# Altium PCB PCB1.PcbDoc (part 4 of 5) (continued)
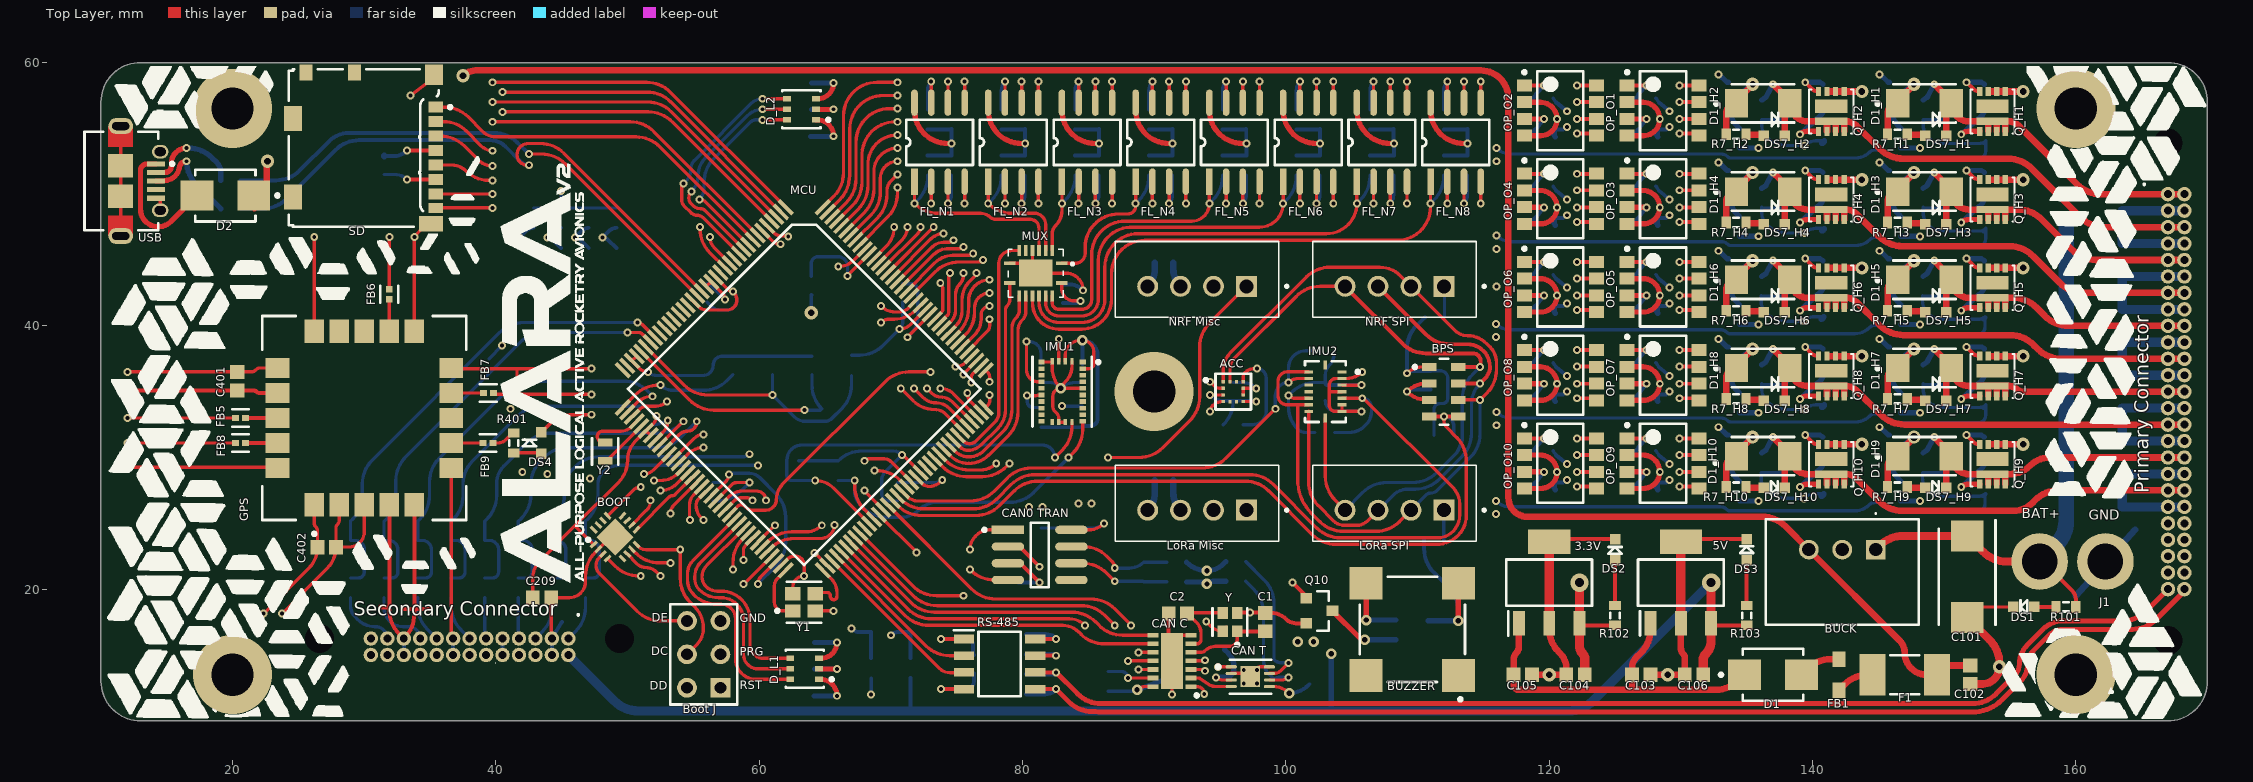
[diagram p0: Top Layer view]
## Nets (pads, with @x,y where several pads share a name; then routed paths per layer and width w, separated by ;. In a path a pad name is that pad's centre, name@x,y a point inside that pad or via, vN(x,y) a via of type N, cw(c..) or ccw(c..) an arc to the next point about the centre after c; other vN are vias at no path point) (continued)
  Bottom Layer w0.254: v1(94.19,49.3) 94.446,49.556 ccw(c92.65,51.352) 95.19,51.352 R1_N5.2@95.19,51.45
"MUX B6": FL_N6.1 MUX.14 R1_N6.2 | length 29.4
  Top Layer w0.254: MUX.14@81.75,42.275 81.75,41.75 ccw(c82.75,41.75) 82.75,40.75 84.5,40.75 ccw(c84.5,42) 85.75,42 85.75,44.96 cw(c88.29,44.96) 88.141,47.496 cw(c88.155,47.242) 88.154,47.496 97.986,47.496 ccw(c97.986,49.3) v1(99.79,49.3) FL_N6.1@99.79,50.95
  Bottom Layer w0.254: v1(99.79,49.3) 100.046,49.556 ccw(c98.25,51.352) 100.79,51.352 R1_N6.2@100.79,51.45
"MUX B7": FL_N7.1 MUX.13 R1_N7.2 | length 35.8
  Top Layer w0.254: MUX.13@81.25,42.275 81.25,41.75 ccw(c82.75,41.75) 82.75,40.25 84.5,40.25 ccw(c84.5,42) 86.25,42 86.25,44.46 cw(c88.79,44.46) 88.79,47 103.09,47 ccw(c103.09,49.3) v1(105.39,49.3) FL_N7.1@105.39,50.95
  Bottom Layer w0.254: v1(105.39,49.3) 105.646,49.556 ccw(c103.85,51.352) 106.39,51.352 R1_N7.2@106.39,51.45
"MUX B8": FL_N8.1 MUX.12 R1_N8.2 | length 42.4
  Top Layer w0.254: MUX.12@80.75,42.275 80.75,41.75 ccw(c82.75,41.75) 82.75,39.75 84.5,39.75 ccw(c84.5,42) 86.75,42 86.75,43.96 cw(c89.29,43.96) 89.29,46.5 108.45,46.5 ccw(c108.45,49.04) 110.99,49.04 v1(110.99,49.3) FL_N8.1@110.99,50.95
  Bottom Layer w0.254: v1(110.99,49.3) 111.246,49.556 ccw(c109.45,51.352) 111.99,51.352 R1_N8.2@111.99,51.45
"MUX OE": MCU.102 MUX.7 | length 17.9
  Top Layer w0.254: MCU.102@75.081,31.676 75.522,31.236 75.524,31.235 ccw(c76,31.756) 75.633,31.153 cw(c75.501,30.936) 75.657,31.136 ccw(c75.859,31.393) 75.836,31.067 cw(c75.817,30.814) 75.865,31.063 ccw(c76,31.756) 76,31.05 ccw(c76,31.654) 76.427,31.227 77.917,32.717 ccw(c77.234,33.4) 78.2,33.4 78.2,44.796 cw(c79.054,44.796) 78.45,45.4 cw(c79.235,44.615) 79.235,45.725 MUX.7@79.75,45.725
"MUX S0": MCU.99 MUX.11 | length 17
  Top Layer w0.254: MCU.99@74.021,30.615 74.511,30.126 ccw(c75.9,31.515) 75.9,29.55 ccw(c75.9,31.723) 77.436,30.186 78.906,31.656 ccw(c77.11,33.452) 79.65,33.452 79.65,33.542 cw(c79.904,33.541) 79.65,33.553 ccw(c76.66,33.702) 79.654,33.702 79.654,39.685 cw(c80.665,39.685) 79.95,40.4 ccw(c79.226,41.124) 80.25,41.124 MUX.11@80.25,42.275
"MUX S1": MCU.100 MUX.10 | length 15.8
  Top Layer w0.254: MCU.100@74.374,30.969 74.864,30.479 ccw(c75.9,31.515) 75.9,30.05 ccw(c75.9,31.74) 77.095,30.545 78.456,31.906 ccw(c76.66,33.702) 79.2,33.702 79.2,39.876 cw(c80.224,39.876) 79.5,40.6 ccw(c78.896,41.204) 79.75,41.204 MUX.10@79.75,42.275
"MUX S2": MCU.101 MUX.9 | length 15.6
  Top Layer w0.254: MCU.101@74.728,31.322 75.253,30.797 ccw(c75.85,31.394) 75.85,30.55 ccw(c75.85,31.999) 76.874,30.974 78.134,32.234 ccw(c76.769,33.6) 78.7,33.6 78.7,41.188 cw(c79.212,41.188) 78.85,41.55 ccw(c78.428,41.972) 79.025,41.972 MUX.9@79.025,43.25
Net3.3V_1: 3.3V.1 5V.1 C103.2 C105.2 D1.1 | length 28.4
  Top Layer w0.5: 3.3V.1@117.7,17.4 117.7,15.633 cw(c117.017,15.633) 117.5,15.15 ccw(c117.983,14.667) 117.3,14.667 C105.2@117.3,13.5 117.3,12.75 ccw(c117.7,12.75) 117.7,12.35 126.3,12.35 ; 5V.1@127.7,17.4 127.7,16.952 cw(c125.16,16.952) 126.956,15.156 126.6,14.8 ccw(c127.324,14.076) 126.3,14.076 C103.2@126.3,13.5 126.3,12.35 ; D1.1@134.85,13.5 134.444,13.094 cw(c132.648,14.89) 132.648,12.35 126.3,12.35
NetBUCK_3: BUCK.3 C102.2 D2.1 F1.1 | length 175.5
  Top Layer w0.35: D2.1@21.6,49.9 D2.1@21.65,48.925
  Top Layer w0.5: D2.1@21.65,48.925 21.65,49.9 21.7,49.9 22.6,50.8 22.6,52.45 v2(22.65,52.5) ; v2(37.5,59) cw(c38.466,58.034) 38.466,59.4 114.8,59.4 cw(c114.8,57.3) 116.9,57.3 116.9,26.95 ccw(c118.35,26.95) 118.35,25.5 136.168,25.5 cw(c136.168,22.96) 137.964,24.756 BUCK.3@139.72,23 146.614,16.106 cw(c145.684,15.175) 147,15.175 ccw(c148.675,15.175) 148.675,13.5 F1.1@149.451,13.5 cw(c150.151,13.5) 150.151,14.2 C102.2@152,14.2
  Bottom Middle Layer w0.5: v2(22.65,52.5) cw(c24.219,52.5) 23.11,53.61 27.756,58.256 cw(c29.552,56.46) 29.552,59 v2(37.5,59)
NetBUZZER_3: BUZZER.3 R601.2 | length 5.1
  Top Layer w0.4: v3(106.1,17.65) BUZZER.3@106.1,20.45
  Bottom Layer w0.4: v3(106.1,17.65) R601.2@108.35,17.65
NetC1_2: "CAN C.5" C1.2 Y.1 | length 6.7
  Top Layer w0.254: 92.8,15.2 93.538,15.2 ccw(c93.538,15.712) 93.9,15.35 cw(c94.624,14.626) 94.624,15.65 95.75,15.65 ccw(c95.75,16.2) 96.3,16.2 Y.1@96.3,16.8
  Top Layer w0.3: Y.1@96.3,16.8 C1.2@98.45,16.8
NetC2_2: "CAN C.6" C2.2 Y.3 | length 6
  Top Layer w0.254: 92.8,15.85 93.25,15.85 ccw(c93.25,16.15) 93.55,16.15 93.55,16.655 ccw(c92.355,16.655) 93.2,17.5 92.585,18.115 ccw(c92.5,18.029) C2.2@92.5,18.15 cw(c92.621,18.029) 92.621,18.2 Y.3@95.2,18.2
NetC406_2: C406.2 IMU1.9 | length 6.2
  Top Layer w0.254: v1(80.3,38.8) 80.3,36.65 ccw(c81.2,36.65) 81.2,35.75 IMU1.9@81.438,35.75
  Bottom Layer w0.254: v1(80.3,38.8) 80.5,38.8 cw(c80.5,37.9) 81.4,37.9 C406.2@81.4,37.1
NetC_N1_2: C_N1.2
NetC_N2_2: C_N2.2
NetC_N3_2: C_N3.2
NetC_N4_2: C_N4.2
NetC_N5_2: C_N5.2
NetC_N6_2: C_N6.2
NetC_N7_2: C_N7.2
NetC_N8_2: C_N8.2
"NetCAN0 TRAN_8": "CAN0 TRAN.8" R307.1 | length 7.5
  Top Layer w0.254: 83.714,24.505 85.005,24.505 ccw(c85.005,26.195) v1(86.2,25)
  Bottom Layer w0.254: R307.1@81.4,24.65 85.355,24.65 ccw(c85.355,25.845) v1(86.2,25)
NetD1_2: D1.2 FB1.2 | length 3.2
  Top Layer w0.5: D1.2@139.15,13.5 139.581,13.931 cw(c141.377,12.135) 141.377,14.675 FB1.2@142,14.675
NetD_L1_1: D_L1.1 R3_L1.1 | length 3.8
  Top Layer w0.381: D_L1.1@64.55,13.15 64.65,13.15 cw(c64.65,11.9) v1(65.9,11.9)
  Bottom Layer w0.381: R3_L1.1@64.15,11.9 v1(65.9,11.9)
NetD_L1_2: D_L1.2 R2_L1.1 | length 3.1
  Top Layer w0.381: D_L1.2@64.55,13.95 v1(65.9,13.95)
  Bottom Layer w0.381: R2_L1.1@64.2,13.95 v1(65.9,13.95)
NetD_L1_3: D_L1.3 R1_L1.2 | length 3.7
  Top Layer w0.381: D_L1.3@64.55,14.75 64.7,14.75 ccw(c64.7,15.95) v1(65.9,15.95)
  Bottom Layer w0.381: R1_L1.2@64.2,15.95 v1(65.9,15.95)
NetD_L2_1: D_L2.1 R3_L2.1 | length 3.8
  Top Layer w0.381: D_L2.1@64.3,55.65 64.4,55.65 cw(c64.4,54.4) v1(65.65,54.4)
  Bottom Layer w0.381: R3_L2.1@63.9,54.4 v1(65.65,54.4)
NetD_L2_2: D_L2.2 R2_L2.1 | length 3.1
  Top Layer w0.381: D_L2.2@64.3,56.45 v1(65.65,56.45)
  Bottom Layer w0.381: R2_L2.1@63.95,56.45 v1(65.65,56.45)
NetD_L2_3: D_L2.3 R1_L2.2 | length 3.7
  Top Layer w0.381: D_L2.3@64.3,57.25 64.45,57.25 ccw(c64.45,58.45) v1(65.65,58.45)
  Bottom Layer w0.381: R1_L2.2@63.95,58.45 v1(65.65,58.45)
NetDS1_2: DS1.2 R101.1 | length 1.6
  Top Layer w0.3: DS1.2@156.85,18.65 R101.1@158.5,18.65
NetDS2_2: DS2.2 R102.1 | length 3.4
  Top Layer w0.3: R102.1@125,18.75 DS2.2@125,22.2
NetDS3_2: DS3.2 R103.1 | length 3.4
  Top Layer w0.3: R103.1@135,18.75 DS3.2@135,22.2
NetDS4_2: DS4.2 R401.2 | length 2.1
  Top Layer w0.254: R401.2@41.35,30.35 43.329,30.35 cw(c43.329,30.179) DS4.2@43.45,30.3
NetDS7_H1_2: DS7_H1.2 R7_H1.1 | length 1.4
  Top Layer w0.3: R7_H1.1@147.2,54.55 ccw(c147.25,54.55) R7_H1.1@147.25,54.5
  Top Layer w0.5: R7_H1.1@147.25,54.5 DS7_H1.2@148.55,54.5
NetDS7_H2_2: DS7_H2.2 R7_H2.1 | length 1.4
  Top Layer w0.3: R7_H2.1@134.95,54.55 ccw(c135,54.55) R7_H2.1@135,54.5
  Top Layer w0.5: R7_H2.1@135,54.5 DS7_H2.2@136.3,54.5
NetDS7_H3_2: DS7_H3.2 R7_H3.1 | length 1.4
  Top Layer w0.3: R7_H3.1@147.2,47.85 ccw(c147.25,47.85) R7_H3.1@147.25,47.8
  Top Layer w0.5: R7_H3.1@147.25,47.8 DS7_H3.2@148.55,47.8
NetDS7_H4_2: DS7_H4.2 R7_H4.1 | length 1.4
  Top Layer w0.3: R7_H4.1@134.95,47.85 ccw(c135,47.85) R7_H4.1@135,47.8
  Top Layer w0.5: R7_H4.1@135,47.8 DS7_H4.2@136.3,47.8
NetDS7_H5_2: DS7_H5.2 R7_H5.1 | length 1.4
  Top Layer w0.3: R7_H5.1@147.2,41.15 ccw(c147.25,41.15) R7_H5.1@147.25,41.1
  Top Layer w0.5: R7_H5.1@147.25,41.1 DS7_H5.2@148.55,41.1
NetDS7_H6_2: DS7_H6.2 R7_H6.1 | length 1.4
  Top Layer w0.3: R7_H6.1@134.95,41.15 ccw(c135,41.15) R7_H6.1@135,41.1
  Top Layer w0.5: R7_H6.1@135,41.1 DS7_H6.2@136.3,41.1
NetDS7_H7_2: DS7_H7.2 R7_H7.1 | length 1.4
  Top Layer w0.3: R7_H7.1@147.2,34.45 ccw(c147.25,34.45) R7_H7.1@147.25,34.4
  Top Layer w0.5: R7_H7.1@147.25,34.4 DS7_H7.2@148.55,34.4
NetDS7_H8_2: DS7_H8.2 R7_H8.1 | length 1.4
  Top Layer w0.3: R7_H8.1@134.95,34.45 ccw(c135,34.45) R7_H8.1@135,34.4
  Top Layer w0.5: R7_H8.1@135,34.4 DS7_H8.2@136.3,34.4
NetDS7_H9_2: DS7_H9.2 R7_H9.1 | length 1.4
  Top Layer w0.3: R7_H9.1@147.2,27.75 ccw(c147.25,27.75) R7_H9.1@147.25,27.7
  Top Layer w0.5: R7_H9.1@147.25,27.7 DS7_H9.2@148.55,27.7
NetDS7_H10_2: DS7_H10.2 R7_H10.1 | length 1.4
  Top Layer w0.3: R7_H10.1@134.95,27.75 ccw(c135,27.75) R7_H10.1@135,27.7
  Top Layer w0.5: R7_H10.1@135,27.7 DS7_H10.2@136.3,27.7
NetF1_2: F1.2 FB1.1 | length 2.9
  Top Layer w0.5: FB1.1@142,12.325 142.431,12.756 cw(c144.227,10.96) 144.227,13.5 F1.2@144.549,13.5
NetFB5_2: FB5.2 GPS.18 | length 2.4
  Top Layer w0.3: FB5.2@20.979,33 GPS.18@23.4,33
NetFB6_2: FB6.2 GPS.12 | length 2.4
  Top Layer w0.254: GPS.12@31.9,39.6 FB6.2@31.9,42.021
NetFB7_2: FB7.2 GPS.9 | length 2.5
  Top Layer w0.254: GPS.9@36.6,34.9 FB7.2@39.05,34.9
NetFB8_1: FB8.1 GPS.19 | length 2.4
  Top Layer w0.3: FB8.1@20.979,31.1 GPS.19@23.4,31.1
NetFB9_1: FB9.1 GPS.7 | length 1.6
  Top Layer w0.254: GPS.7@37.373,31.1 FB9.1@39.021,31.1
NetIMU1_4: IMU1.4 R406.1 | length 9.3
  Top Layer w0.254: IMU1.4@82.75,37.313 v1(82.75,39)
  Top Middle Layer w0.254: v1(82.75,39) cw(c82.75,38.017) 83.733,38.017 83.733,34.633 cw(c83,34.633) v1(83,33.9)
  Bottom Layer w0.254: v1(83,33.9) R406.1@84.55,33.9
NetOP_O1_1: OP_O1.1 R2_O1.1 | length 2.7
  Top Layer w0.3: OP_O1.1@125.92,58.255 125.925,58.25 v1(127.4,58.25)
  Bottom Layer w0.3: R2_O1.1@126.6,57.3 126.8,57.6 v1(127.4,58.25)
NetOP_O1_3: OP_O1.3 R1_O1.1 | length 2.8
  Top Layer w0.4: OP_O1.3@125.92,55.715 125.927,55.707 127.392,55.707 v1(127.4,55.7)
  Bottom Layer w0.3: R1_O1.1@126.75,54.85 v1(127.4,55.7)
  Bottom Layer w0.4: R1_O1.1@126.6,54.6 R1_O1.1@126.75,54.85
NetOP_O2_1: OP_O2.1 R2_O2.1 | length 2.7
  Top Layer w0.3: OP_O2.1@118.12,58.255 118.125,58.25 v1(119.6,58.25)
  Bottom Layer w0.3: R2_O2.1@118.8,57.3 119,57.6 v1(119.6,58.25)
NetOP_O2_3: OP_O2.3 R1_O2.1 | length 2.8
  Top Layer w0.4: OP_O2.3@118.12,55.715 118.127,55.707 119.592,55.707 v1(119.6,55.7)
  Bottom Layer w0.3: R1_O2.1@118.95,54.85 v1(119.6,55.7)
  Bottom Layer w0.4: R1_O2.1@118.8,54.6 R1_O2.1@118.95,54.85
NetOP_O3_1: OP_O3.1 R2_O3.1 | length 2.7
  Top Layer w0.3: OP_O3.1@125.92,51.555 125.925,51.55 v1(127.4,51.55)
  Bottom Layer w0.3: R2_O3.1@126.6,50.6 126.8,50.9 v1(127.4,51.55)
NetOP_O3_3: OP_O3.3 R1_O3.1 | length 2.8
  Top Layer w0.4: OP_O3.3@125.92,49.015 125.927,49.007 127.392,49.007 v1(127.4,49)
  Bottom Layer w0.3: R1_O3.1@126.75,48.15 v1(127.4,49)
  Bottom Layer w0.4: R1_O3.1@126.6,47.9 R1_O3.1@126.75,48.15
NetOP_O4_1: OP_O4.1 R2_O4.1 | length 2.7
  Top Layer w0.3: OP_O4.1@118.12,51.555 118.125,51.55 118.701,51.55 v1(119.601,51.549)
  Bottom Layer w0.3: R2_O4.1@118.8,50.6 118.991,50.886 118.995,50.892 cw(c119.236,50.714) 119.016,50.918 v1(119.601,51.549)
NetOP_O4_3: OP_O4.3 R1_O4.1 | length 2.8
  Top Layer w0.4: OP_O4.3@118.12,49.015 118.127,49.007 119.592,49.007 v1(119.6,49)
  Bottom Layer w0.3: R1_O4.1@118.95,48.15 v1(119.6,49)
  Bottom Layer w0.4: R1_O4.1@118.8,47.9 R1_O4.1@118.95,48.15
NetOP_O5_1: OP_O5.1 R2_O5.1 | length 2.7
  Top Layer w0.3: OP_O5.1@125.92,44.855 125.925,44.85 v1(127.4,44.85)
  Bottom Layer w0.3: R2_O5.1@126.6,43.9 126.8,44.2 v1(127.4,44.85)
NetOP_O5_3: OP_O5.3 R1_O5.1 | length 2.8
  Top Layer w0.4: OP_O5.3@125.92,42.315 125.927,42.307 127.392,42.307 v1(127.4,42.3)
  Bottom Layer w0.3: R1_O5.1@126.75,41.45 v1(127.4,42.3)
  Bottom Layer w0.4: R1_O5.1@126.6,41.2 R1_O5.1@126.75,41.45
NetOP_O6_1: OP_O6.1 R2_O6.1 | length 2.7
  Top Layer w0.3: OP_O6.1@118.12,44.855 118.125,44.85 v1(119.6,44.85)
  Bottom Layer w0.3: R2_O6.1@118.8,43.9 119,44.2 v1(119.6,44.85)
NetOP_O6_3: OP_O6.3 R1_O6.1 | length 2.8
  Top Layer w0.4: OP_O6.3@118.12,42.315 118.127,42.307 119.592,42.307 v1(119.6,42.3)
  Bottom Layer w0.3: R1_O6.1@118.95,41.45 v1(119.6,42.3)
  Bottom Layer w0.4: R1_O6.1@118.8,41.2 R1_O6.1@118.95,41.45
NetOP_O7_1: OP_O7.1 R2_O7.1 | length 2.7
  Top Layer w0.3: OP_O7.1@125.92,38.155 125.925,38.15 v1(127.4,38.15)
  Bottom Layer w0.3: R2_O7.1@126.6,37.2 126.8,37.5 v1(127.4,38.15)
NetOP_O7_3: OP_O7.3 R1_O7.1 | length 2.8
  Top Layer w0.4: OP_O7.3@125.92,35.615 125.927,35.608 127.392,35.608 v1(127.4,35.6)
  Bottom Layer w0.3: R1_O7.1@126.75,34.75 v1(127.4,35.6)
  Bottom Layer w0.4: R1_O7.1@126.6,34.5 R1_O7.1@126.75,34.75
NetOP_O8_1: OP_O8.1 R2_O8.1 | length 2.7
  Top Layer w0.3: OP_O8.1@118.12,38.155 118.125,38.15 v1(119.6,38.15)
  Bottom Layer w0.3: R2_O8.1@118.8,37.2 119,37.5 v1(119.6,38.15)
NetOP_O8_3: OP_O8.3 R1_O8.1 | length 2.8
  Top Layer w0.4: OP_O8.3@118.12,35.615 118.127,35.608 119.592,35.608 v1(119.6,35.6)
  Bottom Layer w0.3: R1_O8.1@118.95,34.75 v1(119.6,35.6)
  Bottom Layer w0.4: R1_O8.1@118.8,34.5 R1_O8.1@118.95,34.75
NetOP_O9_1: OP_O9.1 R2_O9.1 | length 2.7
  Top Layer w0.3: OP_O9.1@125.92,31.455 125.925,31.45 v1(127.4,31.45)
  Bottom Layer w0.3: R2_O9.1@126.6,30.5 126.8,30.8 v1(127.4,31.45)
NetOP_O9_3: OP_O9.3 R1_O9.1 | length 2.8
  Top Layer w0.4: OP_O9.3@125.92,28.915 125.927,28.908 127.392,28.908 v1(127.4,28.9)
  Bottom Layer w0.3: R1_O9.1@126.75,28.05 v1(127.4,28.9)
  Bottom Layer w0.4: R1_O9.1@126.6,27.8 R1_O9.1@126.75,28.05
NetOP_O10_1: OP_O10.1 R2_O10.1 | length 2.7
  Top Layer w0.3: OP_O10.1@118.12,31.455 118.125,31.45 v1(119.6,31.45)
  Bottom Layer w0.3: R2_O10.1@118.8,30.5 119,30.8 v1(119.6,31.45)
NetOP_O10_3: OP_O10.3 R1_O10.1 | length 2.8
  Top Layer w0.4: OP_O10.3@118.12,28.915 118.127,28.908 119.592,28.908 v1(119.6,28.9)
  Bottom Layer w0.3: R1_O10.1@118.95,28.05 v1(119.6,28.9)
  Bottom Layer w0.4: R1_O10.1@118.8,27.8 R1_O10.1@118.95,28.05
NetQ10_3: Q10.3 R601.1 | length 5.7
  Top Layer w0.4: Q10.3@103.55,18.35 105.573,16.327 ccw(c106,16.753) v3(106,16.15)
  Bottom Layer w0.4: v3(106,16.15) R601.1@108.35,16.15
"NOR /WP_N1": FL_N1.3 R2_N1.2 | length 3.9
  Top Layer w0.254: v1(74.33,49.3) FL_N1.3@74.33,50.95 FL_N1.3@74.34,50.94
  Bottom Layer w0.254: v1(74.33,49.3) ccw(c73.702,49.928) 74.59,49.928 R2_N1.2@74.59,51.45
"NOR /WP_N2": FL_N2.3 R2_N2.2 | length 3.9
  Top Layer w0.254: v1(79.93,49.3) FL_N2.3@79.93,50.95 FL_N2.3@79.94,50.94
  Bottom Layer w0.254: v1@79.93,49.3 ccw(c79.302,49.928) 80.19,49.928 R2_N2.2@80.19,51.45
"NOR /WP_N3": FL_N3.3 R2_N3.2 | length 3.9
  Top Layer w0.254: v1(85.53,49.3) FL_N3.3@85.53,50.95 FL_N3.3@85.54,50.94
  Bottom Layer w0.254: v1(85.53,49.3) ccw(c84.902,49.928) 85.79,49.928 R2_N3.2@85.79,51.45
"NOR /WP_N4": FL_N4.3 R2_N4.2 | length 3.9
  Top Layer w0.254: v1(91.13,49.3) FL_N4.3@91.13,50.95 FL_N4.3@91.14,50.94
  Bottom Layer w0.254: v1(91.13,49.3) ccw(c90.502,49.928) 91.39,49.928 R2_N4.2@91.39,51.45
"NOR /WP_N5": FL_N5.3 R2_N5.2 | length 3.9
  Top Layer w0.254: v1(96.73,49.3) FL_N5.3@96.73,50.95 FL_N5.3@96.74,50.94
  Bottom Layer w0.254: v1(96.73,49.3) ccw(c96.102,49.928) 96.99,49.928 R2_N5.2@96.99,51.45
"NOR /WP_N6": FL_N6.3 R2_N6.2 | length 3.9
  Top Layer w0.254: v1(102.33,49.3) FL_N6.3@102.33,50.95 FL_N6.3@102.34,50.94
  Bottom Layer w0.254: v1(102.33,49.3) ccw(c101.702,49.928) 102.59,49.928 R2_N6.2@102.59,51.45
"NOR /WP_N7": FL_N7.3 R2_N7.2 | length 3.9
  Top Layer w0.254: v1(107.93,49.3) FL_N7.3@107.93,50.95 FL_N7.3@107.94,50.94
  Bottom Layer w0.254: v1(107.93,49.3) ccw(c107.302,49.928) 108.19,49.928 R2_N7.2@108.19,51.45
"NOR /WP_N8": FL_N8.3 R2_N8.2 | length 3.9
  Top Layer w0.254: v1(113.53,49.3) FL_N8.3@113.53,50.95 FL_N8.3@113.54,50.94
  Bottom Layer w0.254: v1(113.53,49.3) ccw(c112.902,49.928) 113.79,49.928 R2_N8.2@113.79,51.45
"NOR HOLD RESET_N1": FL_N1.7 R3_N1.2 | length 4.5
  Top Layer w0.254: FL_N1.7@73.06,56.95 v1(73.06,58.55)
  Bottom Layer w0.254: R3_N1.2@72.79,56.4 72.79,57.898 ; 72.79,57.898 cw(c73.712,57.898) v1(73.06,58.55) ccw(c73.712,57.898) 72.79,57.898
"NOR HOLD RESET_N2": FL_N2.7 R3_N2.2 | length 4.5
  Top Layer w0.254: FL_N2.7@78.66,56.95 v1(78.66,58.55)
  Bottom Layer w0.254: R3_N2.2@78.39,56.4 78.39,57.898 ; 78.39,57.898 cw(c79.312,57.898) 78.66,58.55 ccw(c79.312,57.898) 78.39,57.898
"NOR HOLD RESET_N3": FL_N3.7 R3_N3.2 | length 4.5
  Top Layer w0.254: FL_N3.7@84.26,56.95 v1(84.26,58.55)
  Bottom Layer w0.254: R3_N3.2@83.99,56.4 83.99,57.898 ; 83.99,57.898 cw(c84.912,57.898) v1(84.26,58.55) ccw(c84.912,57.898) 83.99,57.898
"NOR HOLD RESET_N4": FL_N4.7 R3_N4.2 | length 4.5
  Top Layer w0.254: FL_N4.7@89.86,56.95 v1(89.86,58.55)
  Bottom Layer w0.254: R3_N4.2@89.59,56.4 89.59,57.898 ; 89.59,57.898 cw(c90.512,57.898) v1(89.86,58.55) ccw(c90.512,57.898) 89.59,57.898
"NOR HOLD RESET_N5": FL_N5.7 R3_N5.2 | length 4.5
  Top Layer w0.254: FL_N5.7@95.46,56.95 v1(95.46,58.55)
  Bottom Layer w0.254: R3_N5.2@95.19,56.4 95.19,57.898 ; 95.19,57.898 cw(c96.112,57.898) v1(95.46,58.55) ccw(c96.112,57.898) 95.19,57.898
"NOR HOLD RESET_N6": FL_N6.7 R3_N6.2 | length 4.5
  Top Layer w0.254: FL_N6.7@101.06,56.95 v1(101.06,58.55)
  Bottom Layer w0.254: R3_N6.2@100.79,56.4 100.79,57.898 ; 100.79,57.898 cw(c101.712,57.898) v1(101.06,58.55) ccw(c101.712,57.898) 100.79,57.898
"NOR HOLD RESET_N7": FL_N7.7 R3_N7.2 | length 4.5
  Top Layer w0.254: FL_N7.7@106.66,56.95 v1(106.66,58.55)
  Bottom Layer w0.254: R3_N7.2@106.39,56.4 106.39,57.898 ; 106.39,57.898 cw(c107.312,57.898) v1(106.66,58.55) ccw(c107.312,57.898) 106.39,57.898
"NOR HOLD RESET_N8": FL_N8.7 R3_N8.2 | length 4.5
  Top Layer w0.254: FL_N8.7@112.26,56.95 v1(112.26,58.55)
  Bottom Layer w0.254: R3_N8.2@111.99,56.4 111.99,57.898 ; 111.99,57.898 cw(c112.912,57.898) v1(112.26,58.55) ccw(c112.912,57.898) 111.99,57.898
"NRF CE": "NRF Misc.2" MCU.67 | length 47.1
  Top Layer w0.254: MCU.67@60.232,23.191 60.648,23.606 cw(c62.444,21.81) 62.444,24.35 63.543,24.35 ccw(c63.543,26.057) v1(64.75,24.85)
  Top Middle Layer w0.254: v1(64.75,24.85) 65.306,25.406 cw(c67.102,23.61) 67.102,26.15 73.984,26.15 cw(c73.984,24.784) 74.95,25.75 ccw(c75.916,26.716) 75.916,25.35 82.048,25.35 ccw(c82.048,27.89) 83.844,26.094 v1(84.25,26.5)
  Bottom Middle Layer w0.254: v1(84.25,26.5) 86.543,28.793 cw(c88.25,27.086) 88.25,29.5 88.298,29.5 ccw(c88.298,32.04) 90.094,30.244 92.814,32.964 ccw(c91.277,34.5) 93.45,34.5 93.45,40.898 cw(c95.99,40.898) 94.194,42.694 94.5,43
"NRF CSN": "NRF SPI.1" MCU.68 R602.2 | length 79.4
  Top Layer w0.254: MCU.68@60.586,22.837 60.855,23.106 cw(c62.651,21.31) 62.651,23.85 64.677,23.85 ccw(c64.677,24.873) v1(65.7,24.873) v1@65.623,24.873
  Top Middle Layer w0.254: v1(65.7,24.873) 82.571,24.873 ccw(c82.571,27.413) 84.367,25.617 v1(85.25,26.5) ; 112,43 v1(116,43)
  Bottom Middle Layer w0.254: v1(85.25,26.5) 87.056,28.306 cw(c88.852,26.51) 88.852,29.05 114.698,29.05 ccw(c114.698,31.59) 116.494,29.794 117.256,30.556 ccw(c115.46,32.352) 118,32.352 118,39.948 ccw(c115.46,39.948) 117.256,41.744 v1(116,43)
  Bottom Layer w0.254: 112,43 cw(c111.879,42.879) 112.05,42.879 R602.2@112.05,40.65
"NRF IRQ": "NRF Misc.1" MCU.54 | length 55.3
  Top Layer w0.254: v1(54.75,25.25) cw(c54.871,25.371) 54.7,25.371 54.7,26.4 cw(c55.788,26.4) 55.019,27.17 MCU.54@55.636,27.787 ; v1(86.5,30) 88.848,30 ccw(c88.848,32.54) 90.644,30.744 92.706,32.806 ccw(c90.91,34.602) 93.45,34.602 93.45,38.398 cw(c95.99,38.398) 94.194,40.194 97,43
  Bottom Middle Layer w0.254: v1(54.75,25.25) 55.459,25.959 cw(c55.8,25.617) 55.8,26.1 75.948,26.1 ccw(c75.948,28.64) 77.744,26.844 79.456,28.556 cw(c81.252,26.76) 81.252,29.3 84.81,29.3 ccw(c84.81,31.69) v1(86.5,30)
OP1H1: OP_O1.8 R4_H1.1 | length 18.4
  Top Layer w0.3: v1(129.9,58.25) 131.375,58.25 OP_O1.8@131.38,58.255
  Bottom Middle Layer w0.254: v1(129.9,58.25) 131.317,58.25 cw(c131.317,57.567) 131.8,58.05 ccw(c133.249,59.499) 133.249,57.45 138.298,57.45 ccw(c138.298,59.99) 140.094,58.194 140.256,58.356 cw(c142.052,56.56) 142.052,59.1 v1(145.1,59.1)
  Bottom Layer w0.4: v1(145.1,59.1) 145.15,59.1 145.75,58.5 R4_H1.1@145.85,58.5
OP1H2: OP_O2.8 R4_H2.1 | length 13.7
  Top Layer w0.3: v1(122.1,58.25) 123.575,58.25 OP_O2.8@123.58,58.255
  Bottom Middle Layer w0.254: v1(122.1,58.25) 122.556,58.706 cw(c124.352,56.91) 124.352,59.45 132.005,59.45 cw(c132.005,58.255) v1(132.85,59.1)
  Bottom Layer w0.4: v1(132.85,59.1) 132.9,59.1 133.5,58.5 R4_H2.1@133.6,58.5
OP1H3: OP_O3.8 R4_H3.1 | length 18.3
  Top Layer w0.3: v1(129.9,51.55) 131.375,51.55 OP_O3.8@131.38,51.555
  Bottom Middle Layer w0.254: v1(129.9,51.55) 131.396,51.55 cw(c131.396,50.696) 132,51.3 ccw(c133.207,52.507) 133.207,50.8 138.881,50.8 ccw(c138.881,53.019) 140.45,51.45 140.656,51.656 cw(c142.452,49.86) 142.452,52.4 v1(145.1,52.4)
  Bottom Layer w0.4: v1(145.1,52.4) 145.15,52.4 145.75,51.8 R4_H3.1@145.85,51.8
OP1H4: OP_O4.8 R4_H4.1 | length 13.7
  Top Layer w0.3: v1(122.1,51.55) 123.575,51.55 OP_O4.8@123.58,51.555
  Bottom Middle Layer w0.254: v1(122.1,51.55) 122.606,52.056 cw(c124.402,50.26) 124.402,52.8 131.884,52.8 cw(c131.884,51.434) v1(132.85,52.4)
  Bottom Layer w0.4: v1@132.9,52.4 133.5,51.8 R4_H4.1@133.6,51.8
OP1H5: OP_O5.8 R4_H5.1 | length 18.3
  Top Layer w0.3: v1(129.9,44.85) 131.375,44.85 OP_O5.8@131.38,44.855
  Bottom Middle Layer w0.254: v1(129.9,44.85) 131.305,44.85 cw(c131.305,43.655) 132.15,44.5 ccw(c133.116,45.466) 133.116,44.1 138.96,44.1 ccw(c138.96,46.49) 140.65,44.8 140.806,44.956 cw(c142.602,43.16) 142.602,45.7 v1(145.1,45.7)
  Bottom Layer w0.4: v1(145.1,45.7) 145.15,45.7 145.75,45.1 R4_H5.1@145.85,45.1
OP1H6: OP_O6.8 R4_H6.1 | length 13.8
  Top Layer w0.3: v1(122.1,44.85) 123.575,44.85 OP_O6.8@123.58,44.855
  Bottom Middle Layer w0.254: v1(122.1,44.85) 123.067,45.817 cw(c123.75,45.134) 123.75,46.1 131.884,46.1 cw(c131.884,44.734) v1(132.85,45.7)
  Bottom Layer w0.4: v1@132.9,45.7 133.5,45.1 R4_H6.1@133.6,45.1
OP1H7: OP_O7.8 R4_H7.1 | length 18.4
  Top Layer w0.3: v1(129.9,38.15) 131.375,38.15 OP_O7.8@131.38,38.155
  Bottom Middle Layer w0.254: v1(129.9,38.15) 131.355,38.15 cw(c131.355,36.955) 132.2,37.8 ccw(c133.286,38.886) 133.286,37.35 139.9,37.35 ccw(c139.9,39.402) 141.351,37.951 141.656,38.256 cw(c143.452,36.46) 143.452,39 v1(145.1,39)
  Bottom Layer w0.4: v1(145.1,39) 145.15,39 145.75,38.4 R4_H7.1@145.85,38.4
OP1H8: OP_O8.8 R4_H8.1 | length 13.8
  Top Layer w0.3: v1(122.1,38.15) 123.575,38.15 OP_O8.8@123.58,38.155
  Bottom Middle Layer w0.254: v1(122.1,38.15) 122.656,38.706 cw(c124.452,36.91) 124.338,39.447 cw(c124.349,39.194) 124.356,39.448 ccw(c124.452,42.44) 124.452,39.446 131.773,39.446 cw(c131.773,37.923) v1(132.85,39)
  Bottom Layer w0.4: v1(132.85,39) 132.9,39 133.5,38.4 R4_H8.1@133.6,38.4
OP1H9: OP_O9.8 R4_H9.1 | length 18.3
  Top Layer w0.3: v1(129.9,31.45) 131.375,31.45 OP_O9.8@131.38,31.455
  Bottom Middle Layer w0.254: v1(129.9,31.45) 131.326,31.45 cw(c131.326,30.426) 132.05,31.15 ccw(c133.136,32.236) 133.136,30.7 140.05,30.7 ccw(c140.05,32.994) 141.672,31.372 141.856,31.556 cw(c143.652,29.76) 143.652,32.3 v1(145.1,32.3)
  Bottom Layer w0.4: v1(145.1,32.3) 145.15,32.3 145.75,31.7 R4_H9.1@145.85,31.7
OP1H10: OP_O10.8 R4_H10.1 | length 13.7
  Top Layer w0.3: v1(122.1,31.45) 123.575,31.45 OP_O10.8@123.58,31.455
  Bottom Middle Layer w0.254: v1(122.1,31.45) 122.606,31.956 cw(c124.402,30.16) 124.348,32.699 cw(c124.352,32.445) 124.363,32.699 ccw(c124.502,35.69) 124.502,32.696 131.894,32.696 cw(c131.894,31.344) v1(132.85,32.3)
  Bottom Layer w0.4: v1(132.85,32.3) 132.9,32.3 133.5,31.7 R4_H10.1@133.6,31.7
OP1L1: OP_O1.7 Q_H1.8 R6_H1.2 | length 26.7
  Top Layer w0.3: v1(129.9,57) 131.365,57 OP_O1.7@131.38,56.985 ; v1(151.7,58.5) 152.188,58.012 ccw(c152.7,58.524) Q_H1.8@152.7,57.8
  Bottom Middle Layer w0.254: v1(129.9,57) ccw(c130.745,57.845) 130.745,56.65 148.798,56.65 ccw(c148.798,59.19) 150.594,57.394 v1(151.7,58.5)
  Bottom Layer w0.4: v1(151.7,58.5) 152.827,58.5 R6_H1.2@153.05,58.35